# Altium PCB KeyBoard.PcbDoc
Units mil, origin at the board's own origin, x right, y up, seen from the top; angles counter-clockwise.
Board outline 2519.69 x 3425.8 mil, 2 copper layers (Top Layer, Bottom Layer), stack 61.756 mil thick; 80 components, 99 nets, 361 pads, 123 vias.
Unrouted connection lines stored in the file: 2.
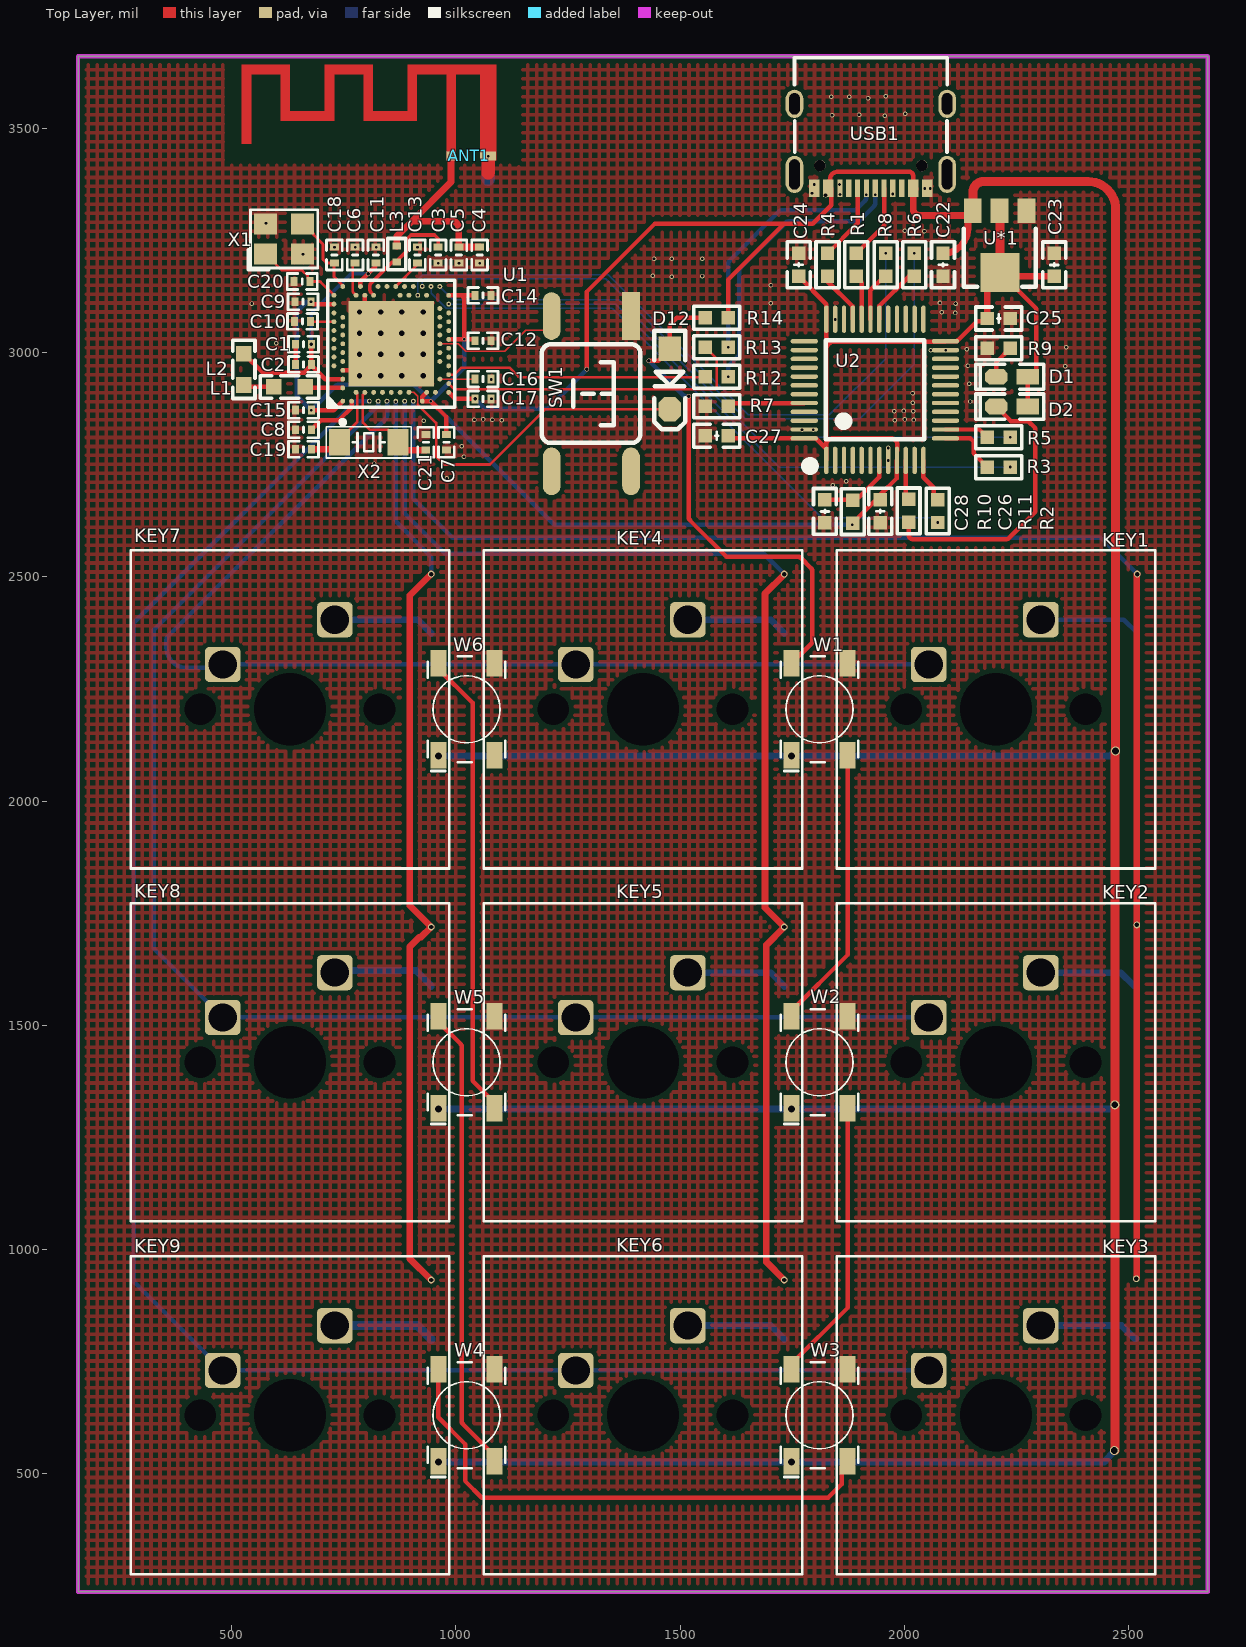
[diagram p0: Top Layer view]
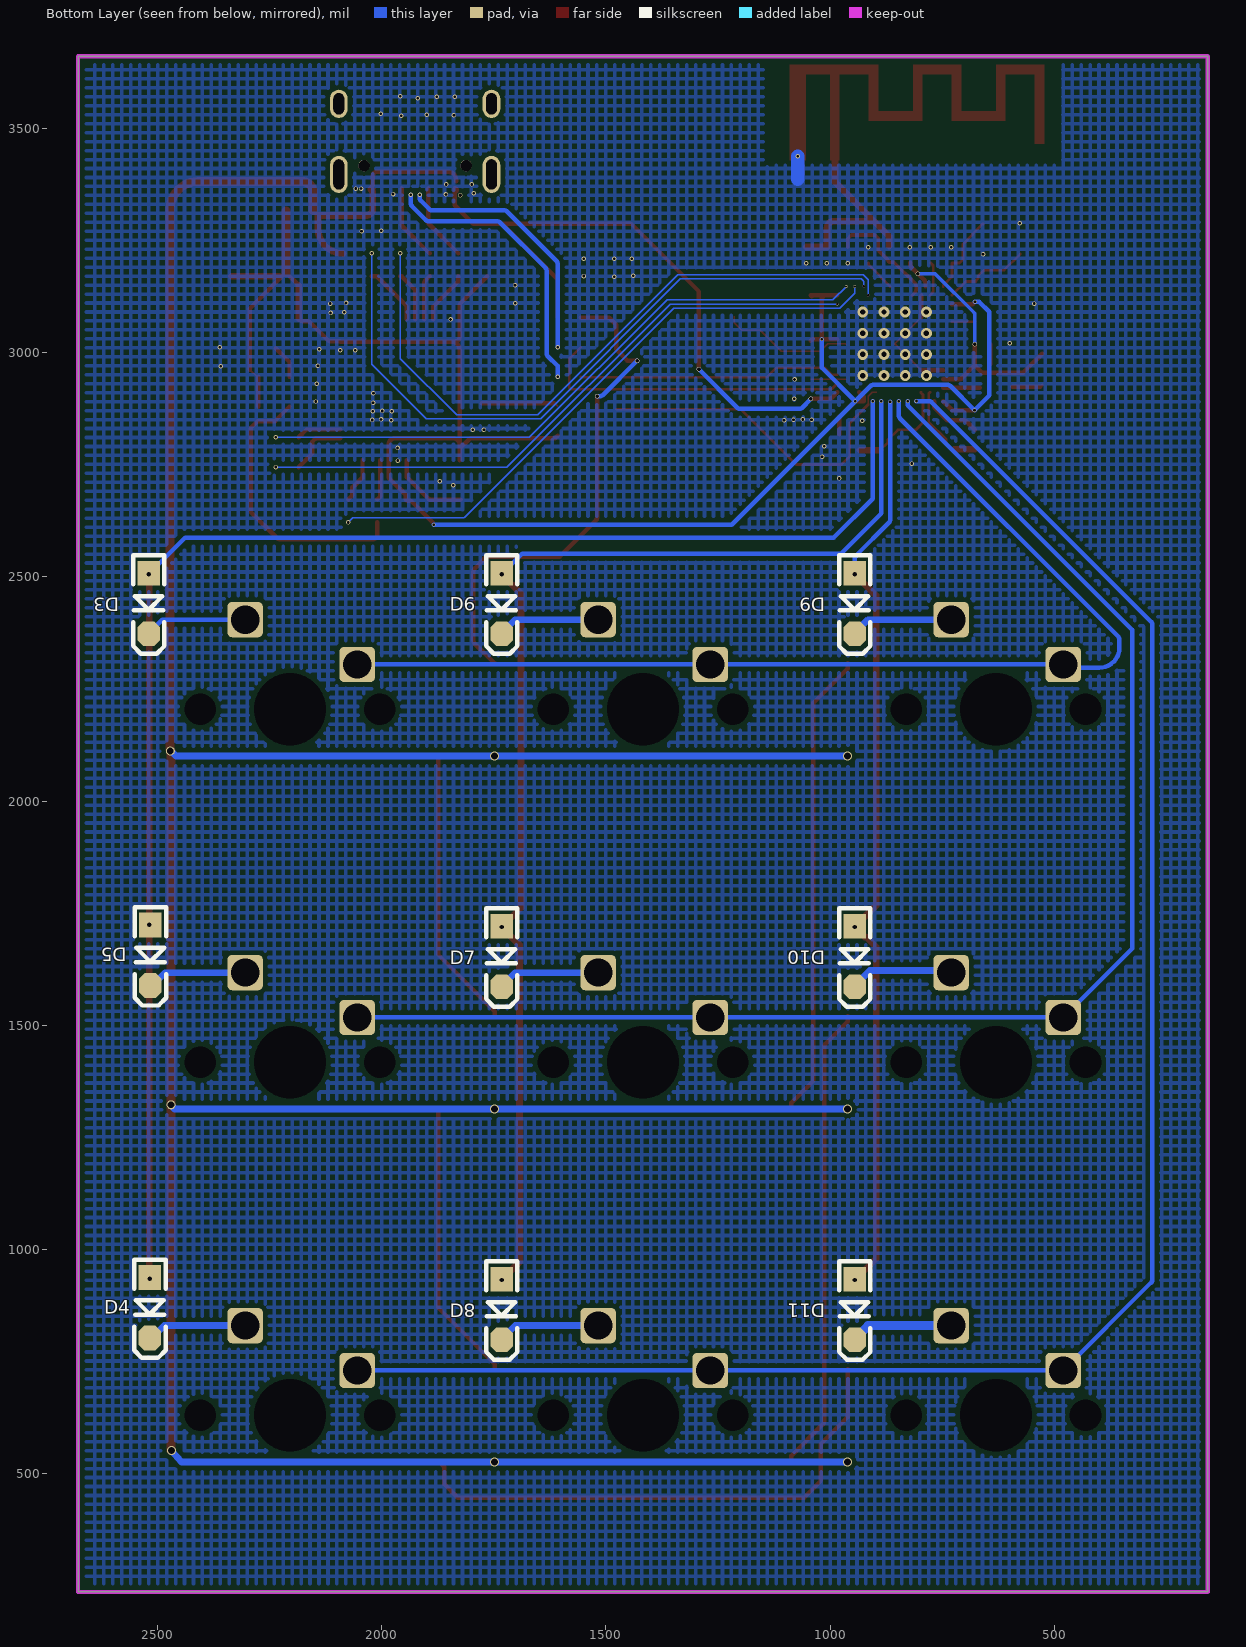
[diagram p1: Bottom Layer view, seen from below]
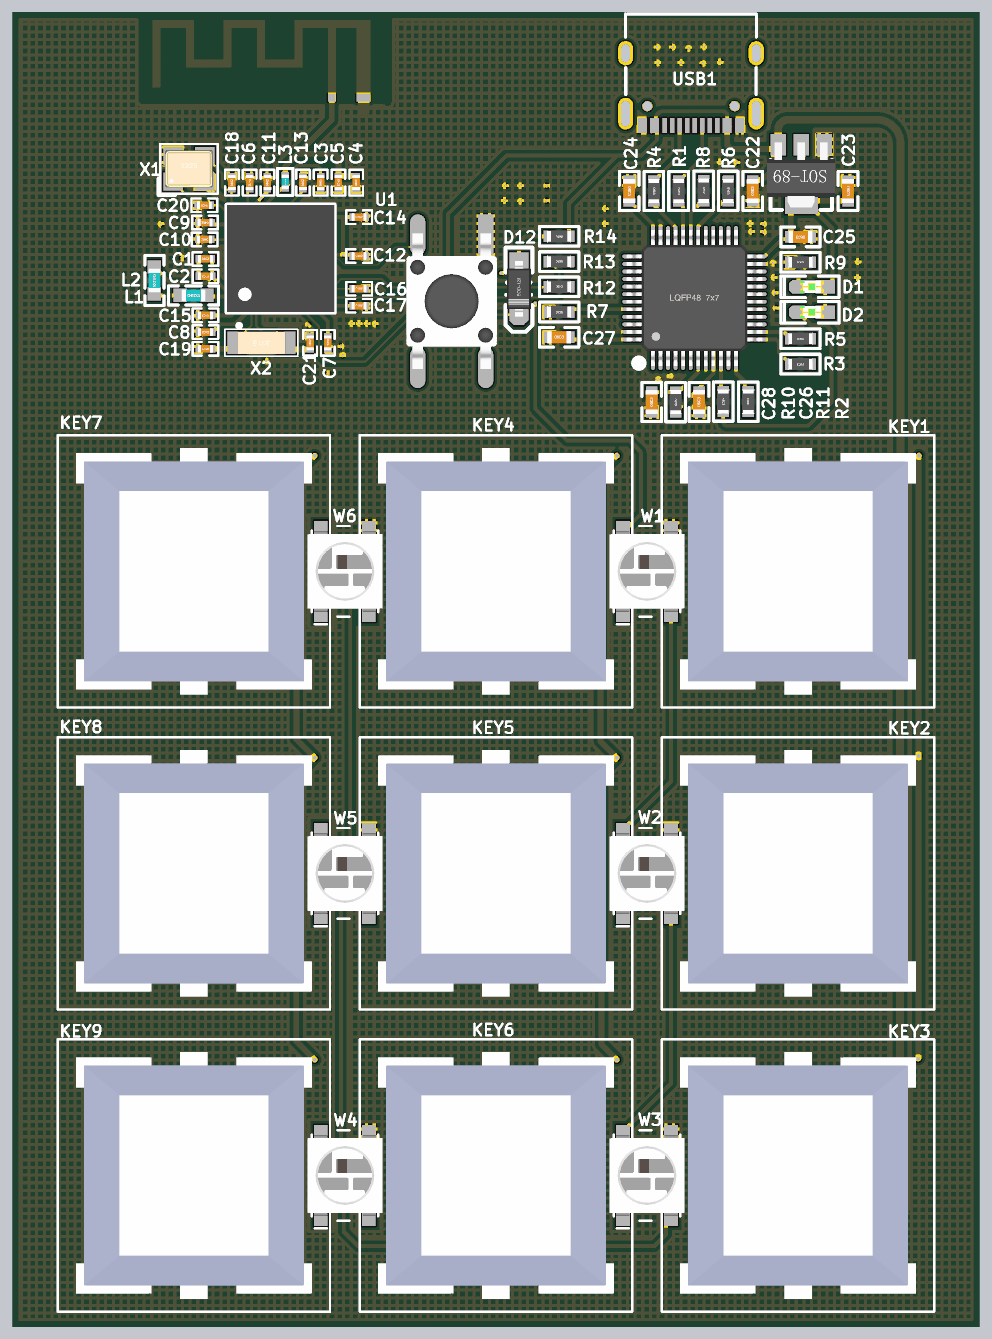
[diagram p2: 3D render of the assembled board from above, using the file's embedded part models]
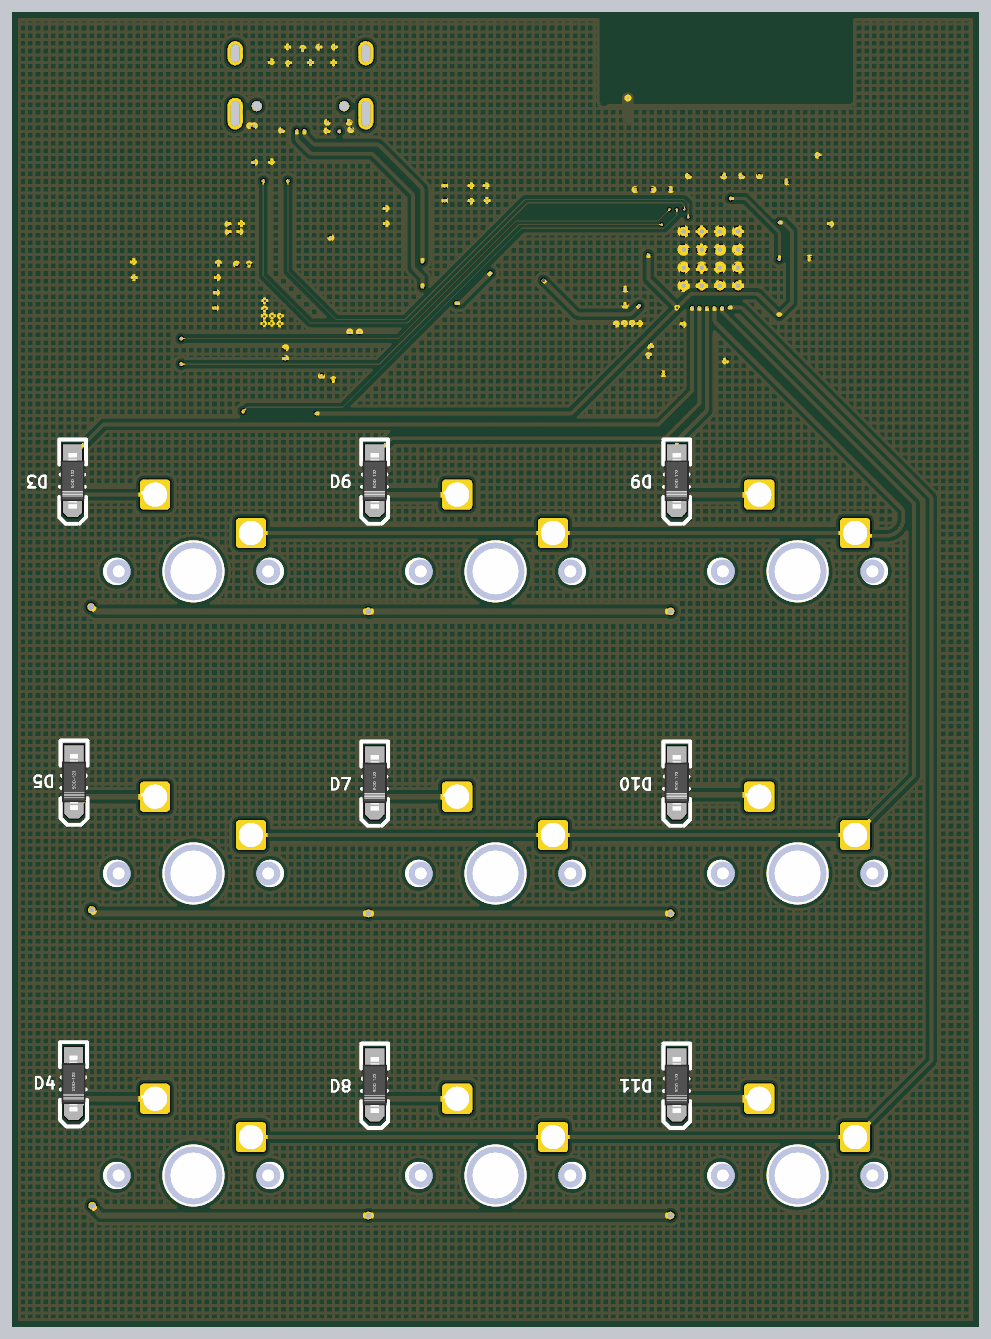
[diagram p3: 3D render of the assembled board from below, using the file's embedded part models]

## Layer stack, top to bottom
Top Solder: solder mask 1, SM-001, Dk 4
Top Layer: signal copper 1.378
Dielectric 1: core 59, Core-043, Dk 4.3
Bottom Layer: signal copper 1.378
Bottom Solder: solder mask 1, SM-001, Dk 4

## Board outline
157.48,236.2 157.48,3661.9 157.6,3662 2677.17,3662 2677.17,236.27 2677.12,236.22

## Design rules (kind name [scope] priority, off if disabled: settings)
Clearance [All] p1: gap=1 ignorepadtopadclearanceinfootprint=TRUE except(10: Arc-Fill Arc-Poly Arc-Region Track-Fill Track-Poly Track-Region SMDPad-Fill SMDPad-Poly SMDPad-Region THPad-Fill THPad-Poly THPad-Region Via-Fill Via-Poly Via-Region Fill-Fill Fill-Poly Fill-Region Fill-Hole Poly-Poly Poly-Region Poly-Hole Region-Region Region-Hole)
PolygonConnect [All] p1: connectstyle=Direct reliefconductorwidth=10 reliefentries=4 polygonreliefangle="90 Angle" airgapwidth=10
RoutingVias [All] p1: holewidth=7 width=6 viastyle="Through Hole" minholewidth=7 minwidth=6 maxholewidth=28 maxwidth=50
ShortCircuit [All] p1: allowed=TRUE
SolderMaskExpansion [All] p1: expansion=4 istentingtop=FALSE
UnRoutedNet [All] p1: checkbadconnections=TRUE
Width [All] p1: maxlimit=20 minlimit=3 preferedwidth=3 minimp=50.000000 maximp=50.000000 favimp=50.000000
28 further rules are at their usual default settings.

## Classes and differential pairs
component class NRF52840: ANT1 C1 C2 C3 C4 C5 C6 C7 C8 C9 C10 C11 C12 C13 C14 C15 C16 C17 C18 C19 C20 C21 D12 L1 L2 L3 R14 SW1 U1 W1 W2 W3 W4 W5 W6 X1 X2
component class Keys: D3 D4 D5 D6 D7 D8 D9 D10 D11 KEY1 KEY2 KEY3 KEY4 KEY5 KEY6 KEY7 KEY8 KEY9
component class "Jlink OB": C22 C23 C24 C25 C26 C27 C28 D1 D2 R1 R2 R3 R4 R5 R6 R7 R8 R9 R10 R11 R12 R13 U2 U*1 USB1

## Components (designator, comment, footprint, x,y, rotation, side; value= is the part's Value field where it differs from the comment)
ANT1 "ANT" ANT-PCB-2.4G-IFA-AN043-TI-ORIGIN 989,3439 r0 top
C1 "1.0µF" "C 0402_L" 659.92,3019.09 r0 top
C2 "47nF" "C 0402_L" 660,2974 r180 top
C3 "0.8pF" "C 0402_L" 960.43,3218 r90 top
C4 "0.5pF" "C 0402_L" 1053,3218 r90 top
C5 "N.C." "C 0402_L" 1006.72,3218 r270 top
C6 "100pF" "C 0402_L" 775.29,3218 r270 top
C7 "1.0µF" "C 0402_L" 979,2800.46 r270 top
C8 "100nF" "C 0402_L" 660,2828.36 r180 top
C9 "100nF" "C 0402_L" 659,3114 r180 top
C10 "N.C." "C 0402_L" 658,3070 r180 top
C11 "N.C." "C 0402_L" 821.57,3218 r90 top
C12 "100nF" "C 0402_L" 1060.6,3026.7 r0 top
C13 "820pF" "C 0402_L" 914.14,3218 r90 top
C14 "100nF" "C 0402_L" 1060.5,3128.1 r0 top
C15 "4.7µF" "C 0402_L" 660,2872 r180 top
C16 "4.7µF" "C 0402_L" 1060.6,2941.3 r0 top
C17 "4.7µF" "C 0402_L" 1060.6,2897 r0 top
C18 "12pF" "C 0402_L" 729,3218 r90 top
C19 "12pF" "C 0402_L" 660,2784.71 r180 top
C20 "12pF" "C 0402_L" 657,3159 r180 top
C21 "12pF" "C 0402_L" 933,2800.46 r90 top
C22 "0.1uf" "C 0603_L" 2086.6,3196.03 r90 top value=1.2pF
C23 "1uf" "C 0603_L" 2335,3196 r270 top value=1.2pF
C24 "0.1uf" "C 0603_L" 1764.55,3196.03 r270 top value=1.2pF
C25 "0.1uf" "C 0603_L" 2211,3076.44 r180 top value=1.2pF
C26 "0.1uf" "C 0603_L" 1946.6,2646.3 r90 top value=1.2pF
C27 "0.1uf" "C 0603_L" 1582.04,2815 r0 top value=1.2pF
C28 "0.1uf" "C 0603_L" 1823.3,2646.1 r90 top value=1.2pF
D1 "LED_0603" "LED 0603B" 2240.83,2946.54 r180 top
D2 "LED_0603" "LED 0603B" 2240.83,2880.25 r180 top
D3 "1n4148" SOD-123 2519.69,2440.94 r270 bottom
D4 "1n4148" SOD-123 2517.2,869.7 r270 bottom
D5 "1n4148" SOD-123 2516,1656 r270 bottom
D6 "1n4148" SOD-123 1732.28,2440.94 r270 bottom
D7 "1n4148" SOD-123 1732.28,1653.54 r270 bottom
D8 "1n4148" SOD-123 1732.28,866.14 r270 bottom
D9 "1n4148" SOD-123 944.88,2440.94 r270 bottom
D10 "1n4148" SOD-123 944.88,1653.54 r270 bottom
D11 "1n4148" SOD-123 944.88,866.14 r270 bottom
D12 "1n4148" SOD-123 1477.2,2941.3 r270 top
KEY1 "CHERRY_MX" CHERRYMX 2204.72,2204.72 r0 top
KEY2 "CHERRY_MX" CHERRYMX 2204.72,1417.32 r0 top
KEY3 "CHERRY_MX" CHERRYMX 2204.72,629.92 r0 top
KEY4 "CHERRY_MX" CHERRYMX 1417.32,2204.72 r0 top
KEY5 "CHERRY_MX" CHERRYMX 1417.32,1417.32 r0 top
KEY6 "CHERRY_MX" CHERRYMX 1417.32,629.92 r0 top
KEY7 "CHERRY_MX" CHERRYMX 629.92,2204.72 r0 top
KEY8 "CHERRY_MX" CHERRYMX 629.92,1417.32 r0 top
KEY9 "CHERRY_MX" CHERRYMX 629.92,629.92 r0 top
L1 "10µH" "L 0603" 629,2924 r0 top
L2 "15nH" "L 0603" 527,2963 r270 top
L3 "4.7nH" "L 0402" 868,3220 r90 top
R1 "22R" "R 0603_L" 1893.37,3196.03 r270 top
R2 "100R" "R 0603_L" 2074.86,2647.04 r90 top
R3 "100R" "R 0603_L" 2211,2745 r180 top
R4 "22R" "R 0603_L" 1828.96,3196.03 r270 top
R5 "100R" "R 0603_L" 2211,2811.29 r180 top
R6 "100R" "R 0603_L" 2022.6,3196.4 r270 top
R7 "10K" "R 0603_L" 1582.03,2880.75 r180 top
R8 "100R" "R 0603_L" 1958.6,3196.7 r270 top
R9 "10K" "R 0603_L" 2211.01,3010.16 r0 top
R10 "10K" "R 0603_L" 1885.4,2645.8 r270 top
R11 "4.7K" "R 0603_L" 2009.8,2647.19 r270 top
R12 "22R" "R 0603_L" 1582.04,2946.5 r0 top
R13 "22R" "R 0603_L" 1582.04,3012.26 r0 top
R14 "10K" "R 0603_L" 1582.03,3078 r180 top
SW1 "Reset Button" "TSW SMD-6*6*5" 1301.7,2908.8 r270 top value="PB SW"
U1 "nRF52840-QIAA" AQFN50P700X700X85_HS-74N 856,3020 r90 top
U2 "STM32F072CxT" "LQFP48 7X7_L" 1934.72,2917.44 r0 top value=Value
U*1 "ASM1117-3.3V" SOT-89 2211.24,3316.22 r180 top
USB1 "Type-C" "usb typec" 1925,3508 r90 top
W1 "WS2812b" DIOC500500X250_NR 1811.02,2204.72 r90 top
W2 "WS2812b" DIOC500500X250_NR 1811.02,1417.32 r90 top
W3 "WS2812b" DIOC500500X250_NR 1811.02,629.92 r90 top
W4 "WS2812b" DIOC500500X250_NR 1023.62,629.92 r90 top
W5 "WS2812b" DIOC500500X250_NR 1023.62,1417.32 r90 top
W6 "WS2812b" DIOC500500X250_NR 1023.62,2204.72 r90 top
X1 "32MHz" "OSC 3225-4P" 617,3254 r0 top
X2 "32.768kHz" "OSC 3215-2P" 805.7,2800.2 r180 top

## Footprints (in the part's own frame and the unit in brackets; to place one, negate y for a bottom-side part, rotate by r counter-clockwise, add the part's x,y. Pads: shape width x height; smd on the part's side, far side on the other; paste and mask are expansions set on the pad)
ANT-PCB-2.4G-IFA-AN043-TI-ORIGIN [mm]
  rect 0.5x0.5 smd: 1(0,0)
  rect 0.9x0.5 smd: 2(2.1,0)
  Top Layer region: 2.575,5.165 2.575,-0.25 1.65,-0.25 1.65,4.64 0.276,4.64 0.276,-0.25 -0.25,-0.25 -0.25,4.64 -1.925,4.64 -1.925,2 -4.95,2 -4.95,4.64 -6.624,4.64 -6.624,2 -9.65,2 -9.65,2 -9.65,2 -9.65,4.64 -11.324,4.64 -11.324,4.64 -11.324,4.64 -11.324,4.64 -11.324,0.7 -11.324,0.7 -11.324,0.7 -11.85,0.7 -11.85,0.715 -11.85,0.716 -11.85,0.716 -11.85,5.163 -11.848,5.165 -9.125,5.165 -9.125,2.525 -7.15,2.525 -7.15,5.165 -4.425,5.165 -4.425,2.525 -2.45,2.525 -2.45,5.165
AQFN50P700X700X85_HS-74N [mm]
  rect 4.85x4.85 smd mask+0.05: 74(0,0)
  round 0.275 smd paste+0.012 mask+0.05: A8(-1.25,3.25) A10(-0.75,3.25) A12(-0.25,3.25) A14(0.25,3.25) A16(0.75,3.25) A18(1.25,3.25) A20(1.75,3.25) A22(2.25,3.25) A23(2.75,3.25) AA24(3.25,-2.25) AB2(-2.75,-2.5) AC5(-2,-2.75) AC9(-1,-2.75) AC11(-0.5,-2.75) AC13(0,-2.75) AC15(0.5,-2.75) AC17(1,-2.75) AC19(1.5,-2.75) AC21(2,-2.75) AC24(3.25,-2.75) AD2(-2.75,-3.25) AD4(-2.25,-3.25) AD6(-1.75,-3.25) AD8(-1.25,-3.25) AD10(-0.75,-3.25) AD12(-0.25,-3.25) AD14(0.25,-3.25) AD16(0.75,-3.25) AD18(1.25,-3.25) AD20(1.75,-3.25) AD22(2.25,-3.25) AD23(2.75,-3.25) B1(-3.25,2.75) B3(-2.5,2.75) B5(-2,2.75) B7(-1.5,2.75) B9(-1,2.75) B11(-0.5,2.75) B13(0,2.75) B15(0.5,2.75) B17(1,2.75) B19(1.5,2.75) B24(3.25,2.75) C1(-3.25,2.25) D2(-2.75,2) D23(2.75,2) E24(3.25,1.75) F2(-2.75,1.5) F23(2.75,1.5) G1(-3.25,1.25) H2(-2.75,1) H23(2.75,1) J1(-3.25,0.75) J24(3.25,0.75) K2(-2.75,0.5) L1(-3.25,0.25) L24(3.25,0.25) M2(-2.75,0) N1(-3.25,-0.25) N24(3.25,-0.25) P2(-2.75,-0.5) P23(2.75,-0.5) R1(-3.25,-0.75) R24(3.25,-0.75) T2(-2.75,-1) T23(2.75,-1) U1(-3.25,-1.25) U24(3.25,-1.25) V23(2.75,-1.5) W1(-3.25,-1.75) W24(3.25,-1.75) Y2(-2.75,-2) Y23(2.75,-2)
  silkscreen extent -4.56,-3.6 3.6,3.6, body extent -3.55,-3.55 3.55,3.55, height 0.85
"C 0402_L" [mm] "无极性贴片电容"
  rect 0.4x0.5 smd: 1(-0.45,0) 2(0.45,0)
  silkscreen extent -0.85,-0.45 0.85,0.45, body extent -0.5,-0.26 0.5,0.26, height 0.53
"C 0603_L" [mil] "无极性贴片电容"
  rect 30x30 smd: 1(-25.59,0) 2(25.59,0)
  silkscreen extent -51,-26 51,26, body extent -31,-16 31,16, height 32
CHERRYMX [mm]
  rrect25% 0x0 hole 1.8: 0(-5.08,0) 0(5.08,0)
  rrect25% 0x0 hole 4.1: 0(0,0)
  rrect25% 2x2 hole 1.6: 1(-3.81,2.54) 2(2.54,5.08)
  silkscreen extent -9.02,-9.02 9.02,9.02, body extent -9,-8.98 9,9.02, height 23.25
DIOC500500X250_NR [mm] "WS2812B PLCC 4, Body 5.0x5.0x.2.5mm, IPC Medium Density"
  rect 1.5x0.9 smd: 1(-2.6,1.59) 2(-2.6,-1.59) 3(2.6,-1.59) 4(2.6,1.59)
  silkscreen extent -3.5,-2.2 3,2.2, body extent -2.67,-2.48 2.68,2.47, height 1.7
"L 0402" [mm] "小功率贴片电感"
  rect 0.4x0.5 smd: 1(-0.45,0) 2(0.45,0)
  silkscreen extent -0.89,-0.51 0.89,0.51, body extent -0.5,-0.25 0.5,0.25, height 0.5
"L 0603" [mil] "小功率贴片电感"
  rect 35x35 smd: 1(-35,0) 2(35,0)
  silkscreen extent -65,-25 65,25, body extent -31,-16 31,16, height 31
"LED 0603B" [mil] "蓝色0603LED"
  rect 50x35 smd: 1(-35,0.26)
  oct 50x35 smd: 2(35,0.26)
  silkscreen extent -71,-28 81,28, body extent -31,-16 31,16, height 24
"LQFP48 7X7_L" [mm] "48脚，体宽7x7mm，脚距0.5mm"
  oval 0.25x1.55 smd: 1(-2.75,-4) 2(-2.25,-4) 3(-1.75,-4) 4(-1.25,-4) 5(-0.75,-4) 6(-0.25,-4) 7(0.25,-4) 8(0.75,-4) 9(1.25,-4) 10(1.75,-4) 11(2.25,-4) 12(2.75,-4) 25(2.75,4) 26(2.25,4) 27(1.75,4) 28(1.25,4) 29(0.75,4) 30(0.25,4) 31(-0.25,4) 32(-0.75,4) 33(-1.25,4) 34(-1.75,4) 35(-2.25,4) 36(-2.75,4)
  oval 1.55x0.25 smd: 13(4,-2.75) 14(4,-2.25) 15(4,-1.75) 16(4,-1.25) 17(4,-0.75) 18(4,-0.25) 19(4,0.25) 20(4,0.75) 21(4,1.25) 22(4,1.75) 23(4,2.25) 24(4,2.75) 37(-4,2.75) 38(-4,2.25) 39(-4,1.75) 40(-4,1.25) 41(-4,0.75) 42(-4,0.25) 43(-4,-0.25) 44(-4,-0.75) 45(-4,-1.25) 46(-4,-1.75) 47(-4,-2.25) 48(-4,-2.75)
  silkscreen extent -3.93,-4.57 2.79,2.79, body extent -4.5,-4.5 4.5,4.5, height 1.45
"OSC 3215-2P" [mm] "3.2*1.5*0.6mm(长宽高)"
  rect 1.2x1.5 smd: 1(-1.65,0) 2(1.65,0)
  silkscreen extent -2.41,-0.89 2.41,0.89, body extent -1.6,-0.75 1.6,0.75, height 0.61
"OSC 3225-4P" [mm] "3.2*2.5*0.7mm(长宽高)"
  rect 1.3x1.2 smd: 1(-1.05,-0.85) 2(1.05,-0.85) 3(1.05,0.85) 4(-1.05,0.85)
  silkscreen extent -2.03,-1.75 1.91,1.65, body extent -1.6,-1.25 1.6,1.25, height 0.7
"R 0603_L" [mil] "1/10W贴片电阻"
  rect 30x30 smd: 1(-25.59,0) 2(25.59,0)
  silkscreen extent -51,-26 51,26, body extent -31,-16 31,16, height 16
SOD-123 [mil] "2.7x1.6X1.1mm（长宽高，不包括引脚）"
  rect 55x50 smd: 1(-67.5,0)
  oct 55x50 smd: 2(67.5,0)
  silkscreen extent -108,-35 112,35, body extent -73,-31 73,31, height 48
SOT-89 [mil]
  rect 40x55 smd: 1(-61.82,-0.57) 2(-1.82,-0.57) 3(58.18,-0.57)
  rect 86.61x86.61 smd: 2(-2.76,137.22)
  silkscreen extent -82,39 78,169, body extent -90,-6 87,163, height 59
"TSW SMD-6*6*5" [mm] "6*6*5mm"
  rect 2.7x1 smd: 1(-4.4,2.261)
  oval 2.7x1 smd: 2(-4.4,-2.239) 3(4.4,-2.239) 4(4.4,2.261)